# KiCad board Beacon_Multiboard.kicad_pcb (continued)
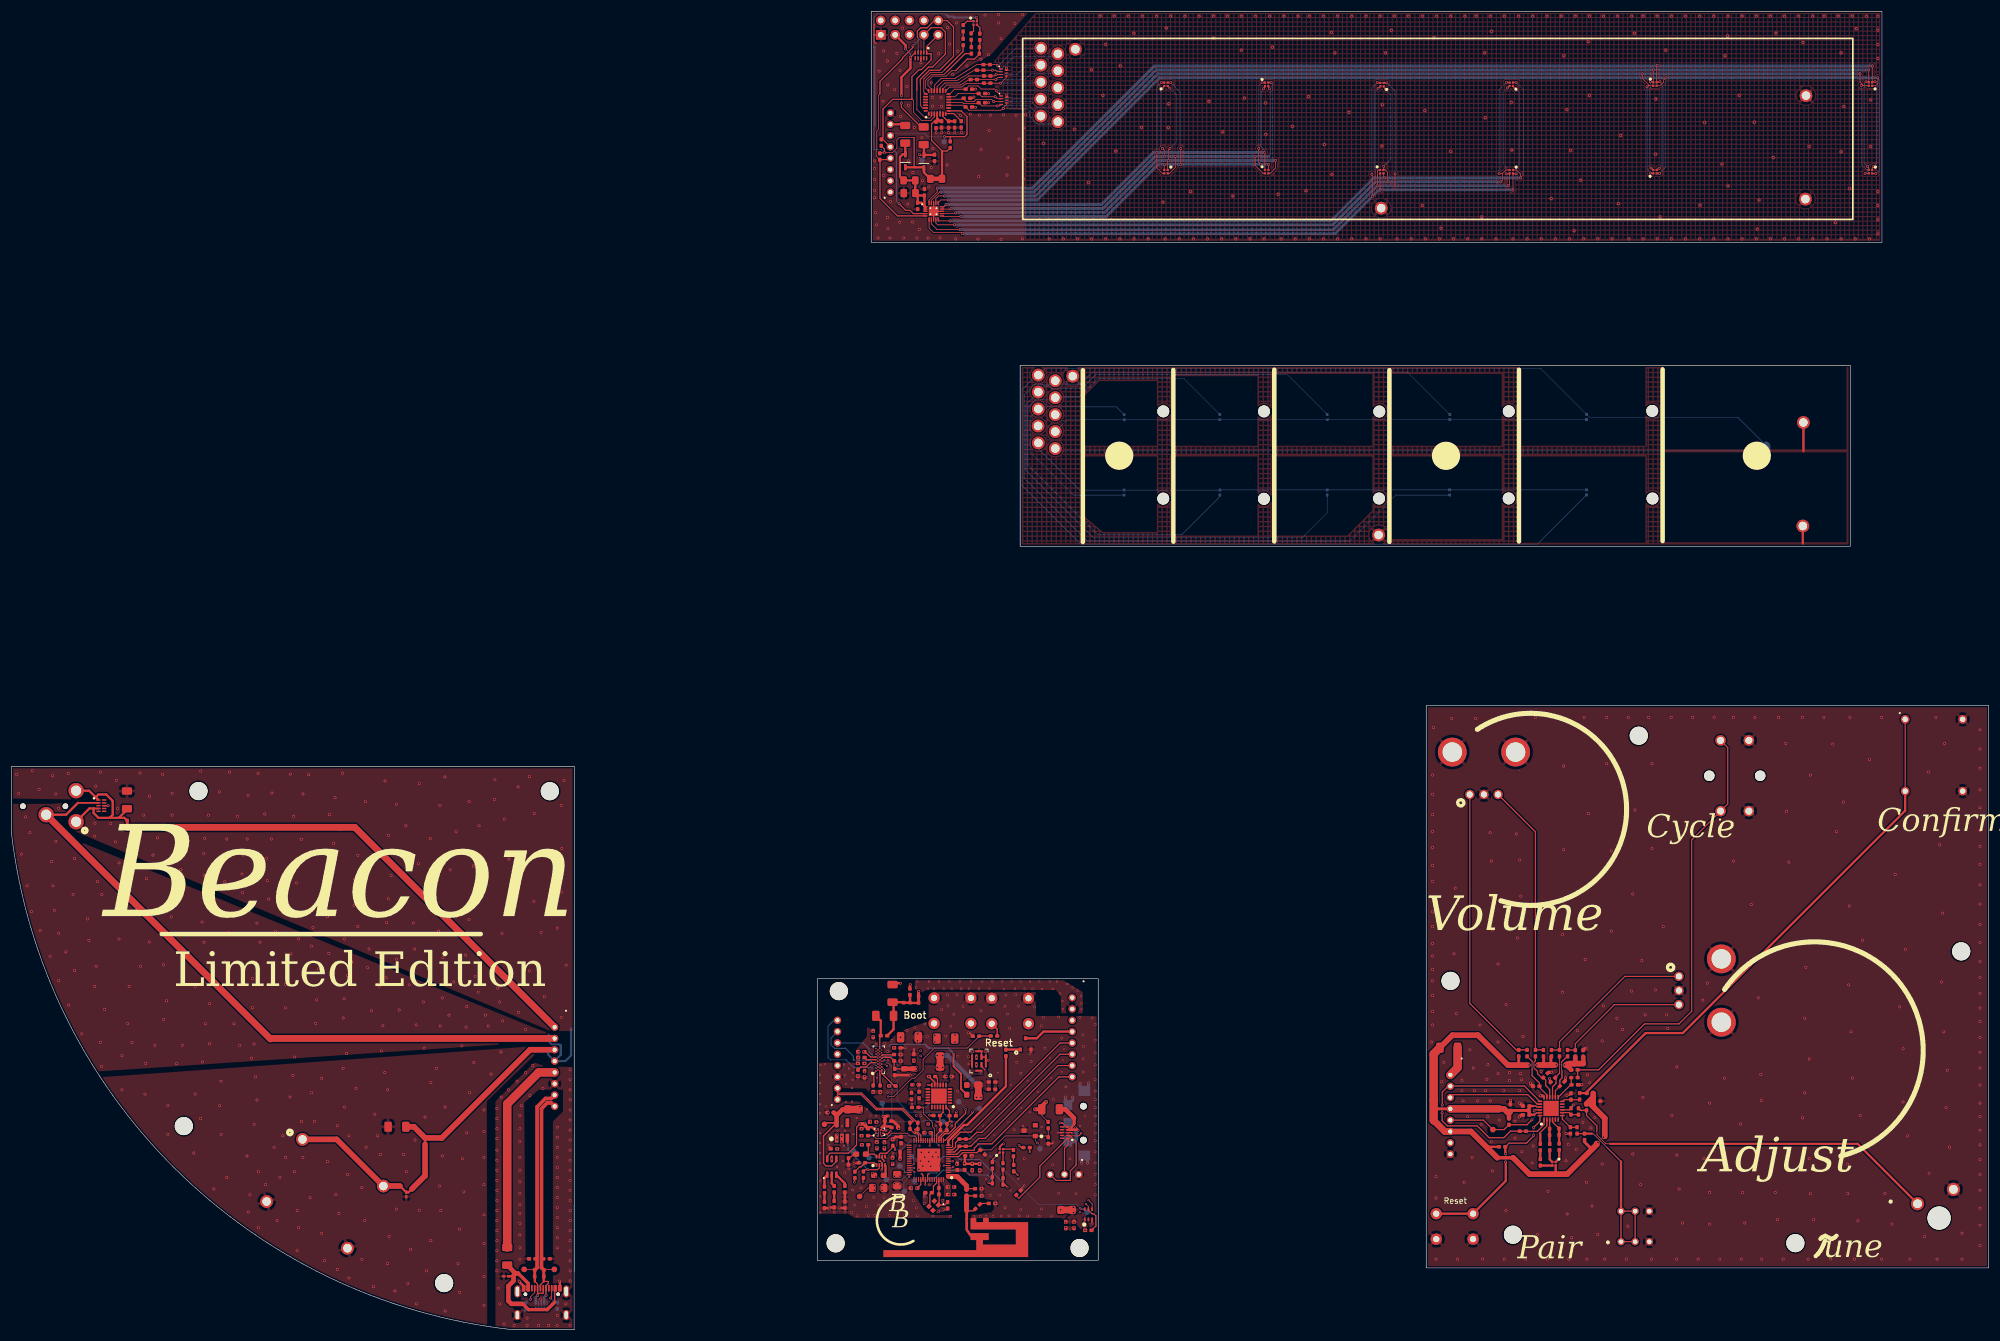
[diagram p0: board, top side]
## Routing (per net, layer and track width the routed paths; a pad name or vN(x,y) marks a point on that pad's centre or on a via; arc(x,y) is an arc through that point) (continued)
v4(167.94,60.3) v4(169.29,60.3) v4(169.69,61.55) v4(171.09,60.3) v4(171.64,61.55) v4(172.94,60.3) v4(173.44,61.55) v4(175.19,61.55) v4(175.44,60.25) v4(176.84,61.55) v4(177.44,60.3) v4(178.44,61.55) v4(179.14,60.3) v4(180.09,61.55) v4(180.54,60.3) v4(181.74,61.55) v4(182.24,60.25) v4(183.59,61.55) v4(184.09,60.25) v4(184.89,61.55) v4(185.44,59.45) v4(185.84,58.1) v4(185.89,56.65) v4(186.69,61.1) v4(187.64,60.5) v4(188.49,59.95) v4(189.09,58.95) v4(189.19,57.7) v4(189.19,56.65) v5(153.18,47.97) v5(171.76,36.06) v5(173.79,34.44) v5(174.43,45.41) v5(174.61,50.36) v5(174.56,38.96) v5(176.13,36.72) v5(176.69,43.28) v5(176.79,41.04) v5(178.57,39.16) v5(179.76,44.04) v5(181.54,42.06) v5(181.76,46) v5(183.68,48) v5(183.85,44.52) v5(185.76,45.61) v5(185.96,47.62) v5(186.06,49.68) v5(189.8,37.71)
/Audio_Board/AUDIO_GND_SEN: length 116.5
  Top w0.25: 45.9,51.49 45.81,51.4
  Top w0.3: 11.77,93.15 D504.2
  Top w0.4: 11.77,93.15 9.68,91.06 J509.2
  Top w1.2: J509.2 45.81,51.4 ; J105.2 45.9,51.49
/Audio_Board/AUDIO_HP: length 117.2
  Top w0.3: D504.4 14.65,92.15
  Top w0.4: C509.1 20.44,91.94 18.99,90.5 ; 15.24,93.8 15.24,93.82 14.91,94.16 ; J509.3 13.75,95.31 14.91,94.16 ; 17.39,90.5 18.99,90.5 ; 17.39,90.5 17.93,91.03 17.93,93.49 16.78,94.64 15.39,94.64 14.91,94.16 ; 17.39,90.5 15.4,90.5 14.54,91.35 14.54,92.04 14.65,92.15 13.8,92.15 J509.1 ; 18.99,90.5 19.99,90.5 J503.2 J503.1
  Top w1: 20.54,88.82 J503.1
  Top w1.2: J105.1 60.73,88.82 20.54,88.82
/Audio_Board/AUDIO_SP: length 67
  Top w0.4: 68.72,25.4 69.83,24.28 70.21,24.28 70.81,24.89 ; J505.1 J505.2
  Top w1: C514.1 71.17,35.89 J505.2 76.12,33.9 91.71,49.49 J105.3 ; 70.81,24.89 73.15,27.22 J505.1 ; J513.1 57.52,33.65 J513.1 68.72,25.4
/Audio_Board/USB_DN: length 43
  Top w0.13: J508.2 92.41,10.66 TP507.1 ; J510.B7 93.04,6.94 93.04,6.94 ; 94.05,7.32 J510.A7
  Top w0.2: 93.04,6.5 93.09,6.45 94,6.45 94.05,6.5 94.05,7.32 ; 93.04,6.5 v1(93.04,6.04) ; 93.04,6.5 93.04,6.94 ; J510.B7 93.04,8.05 92.55,8.53 ; 92.55,9.39 J508.1
  Top w0.4: 92.55,8.53 92.55,9.39
  Top w0.5: J508.1 J508.2
  Top w0.645: J508.2 92.95,10.97 92.95,39.4 94.44,40.88 95.44,40.88 J105.7
  Bottom w0.4: v1(93.04,6.04) 92.71,5.72 D505.1
/Audio_Board/USB_DP: length 42.4
  Top w0.13: TP508.1 94.27,10.66 J511.2 ; J510.B6 94.54,7.74
  Top w0.2: 94.13,9.38 J511.1 ; v1(94.54,6.07) J510.B6 94.54,7.79 94.94,8.19 94.94,8.48 94.89,8.53 94.13,8.53 93.54,7.94 J510.A6
  Top w0.4: 94.13,8.53 94.13,9.38
  Top w0.5: 94.13,9.38 94.13,10.52 J511.2
  Top w0.645: J511.2 93.73,10.97 93.73,39.08 94.76,40.11 95.44,40.11 J105.8
  Bottom w0.4: v1(94.54,6.07) 94.21,5.74 D505.4
/Fret_Assembly/BLED: length 12.8
  Top w0.13: 164.98,222.74 164.52,222.29 162.47,222.29 161.32,221.14 161.32,218.87 U402.22
  Top w0.2: R408.1 168.28,226.05 164.98,222.74
/Fret_Assembly/GLED: length 12.1
  Top w0.127: U402.21 161.65,219.53 161.65,220.92 162.69,221.95 164.9,221.95 165.36,222.41
  Top w0.2: R406.1 168.62,225.62 165.41,222.41
/Fret_Assembly/I2C1_SCLK: length 51.7
  Top w0.13: 159.32,217.54 159.49,217.36 159.49,215.23 160.89,213.83 162.58,213.83 163.18,214.43 U402.3
  Top w0.2: v1(156.95,199.07) 158.1,197.93 158.88,197.93 159.48,197.34 U401.4 ; J102.5 154.09,210.46 R401.1 154.11,210.76 154.11,215.83 155.81,217.54 159.32,217.54 159.21,217.64 159.21,221.52 160.48,222.79 160.89,222.79 162.62,224.52 162.62,225.54 162.56,225.6 162.02,225.6 D415.1 161.81,226.87 163.89,228.94
  Bottom w0.2: v1(156.95,199.07) 156.5,199.53 156.5,208.05 J102.5
/Fret_Assembly/I2C1_SDA: length 71.6
  Top w0.13: U402.2 162.68,214.53 162.39,214.23 161.6,214.23 160.1,215.73 160.1,219.14 ; 153.58,218.5 153.3,218.22 153.3,212.23 153.02,211.95 153.02,208.53 152.89,208.4 152.89,207.49 R402.1 ; 161.35,228.94 161.35,225.84 D415.2
  Top w0.2: U401.5 156.68,196.94 153.58,200.04 153.58,206.66 153.8,206.89 155.16,206.89 J102.4 ; v1(159.39,227.01) 159.39,226.73 157.56,224.9 157.56,224.72 153.58,220.74 153.58,218.5 ; 161.35,228.94 162.62,230.21 164.4,230.21 165.13,229.47 165.13,225.54 162.85,223.25 162.16,223.25 160.1,221.19 160.1,219.14
  Bottom w0.2: 161.35,228.94 159.42,227.01 v1(159.39,227.01)
/Fret_Assembly/LEDA1: length 152.2
  Top w0.13: D401.3 241.54,220.45 v1(241.49,220.5) ; v1(168.14,193.8) 167.95,193.99 163.05,193.99 162.25,194.79 U401.6 ; v1(266.04,204.35) 265.59,204.35 D404.4 v1(265.49,201.5) ; v1(240.54,204.3) 240.59,204.25 240.59,200.45 v1(240.64,200.4) ; D403.1 265.49,219.85 v1(265.84,219.5) ; D402.2 v1(241.99,201.5)
  Bottom w0.13: v1(265.84,219.5) 266.59,218.75 266.59,206.05 266.04,205.5 v1(266.04,204.35) ; v1(241.49,220.5) 240.54,219.55 v1(240.54,204.3)
  Bottom w0.5: v1(265.49,201.5) 265.44,201.55 241.79,201.55 v1(240.64,200.4) 234.04,193.8 v1(168.14,193.8)
/Fret_Assembly/LEDA2: length 148.2
  Top w0.13: v1(241.47,202.25) 241.54,202.31 241.54,203.97 241.52,203.99 241.52,204.92 241.66,205.05 D402.1 ; v1(264.49,219.55) 264.54,219.55 D403.4 ; v1(264.64,202.25) 264.89,202.5 D404.3 264.8,204.36 v1(264.28,204.36) ; v1(244.64,204.35) v1(244.64,202.25) ; v1(167.74,194.5) 163.69,194.5 162.65,195.54 U401.7 ; D401.2 v1(243.19,220.45)
  Bottom w0.13: v1(244.64,204.35) 244.64,219 v1(243.19,220.45) ; v1(264.49,219.55) 263.74,218.8 263.74,206.05 264.24,205.55 264.24,204.4 v1(264.28,204.36)
  Bottom w0.5: v1(264.64,202.25) 241.48,202.25 233.73,194.5 v1(167.74,194.5)
/Fret_Assembly/LEDA3: length 143.2
  Top w0.13: v1(264.34,220.55) 264.39,220.5 D403.3 ; v1(242.94,219.35) 242.64,219.65 D401.1 ; v1(243.39,202.95) 243.34,203 243.34,204.63 242.92,205.05 D402.4 242.64,205.1 v1(242.64,205.7) ; v1(166.79,195.35) 163.79,195.35 163.45,195.69 U401.9 ; 263.64,204.45 263.59,204.4 v1(263.04,204.4) ; 263.64,204.45 263.64,203.25 v1(263.34,202.95) ; 263.64,204.45 264.24,205.05 D404.2
  Bottom w0.13: v1(242.64,205.7) 243.84,206.9 243.84,218.45 v1(242.94,219.35) ; v1(263.04,204.4) 263.04,219.25 v1(264.34,220.55)
  Bottom w0.5: v1(166.79,195.35) 233.59,195.35 241.19,202.95 v1(263.34,202.95)
/Fret_Assembly/LEDA4: length 144.2
  Top w0.13: v1(266.79,203.65) 266.79,204.35 266.09,205.05 D404.1 ; D402.3 242.59,203.85 v1(242.79,203.65) ; D403.2 265.99,220.5 v1(266.04,220.55) ; v1(241.64,219.5) 241.69,219.5 D401.4 ; v1(165.99,196.05) 164.1,196.05 U401.10
  Bottom w0.13: v1(266.04,220.55) 267.34,219.25 267.34,204.2 v1(266.79,203.65) ; 241.14,203.65 241.14,205.35 241.09,205.4 241.09,218.95 v1(241.64,219.5)
  Bottom w0.5: v1(266.79,203.65) 240.89,203.65 233.29,196.05 v1(165.99,196.05)
/Fret_Assembly/LEDB1: length 94.8
  Top w0.13: D405.3 v1(204.99,220.5) ; D408.4 222.24,206 v1(222.29,206.05) ; D406.2 v1(203.84,206.05) ; U401.11 164.6,196.85 v1(167.89,196.85) ; v1(206.74,208.85) v1(206.74,206.05) ; D407.1 v1(221.14,220.5) ; v1(220.54,208.85) 220.49,208.8 220.49,206.49 v1(220.92,206.05)
  Bottom w0.13: v1(220.54,208.85) 220.54,219.9 v1(221.14,220.5) ; v1(206.74,208.85) 206.74,218.75 v1(204.99,220.5)
  Bottom w0.5: v1(222.29,206.05) 202.79,206.05 193.59,196.85 v1(167.89,196.85)
/Fret_Assembly/LEDB2: length 96.8
  Top w0.13: U401.12 166.82,197.34 v1(166.96,197.48) ; v1(204.84,208.85) 204.54,208.55 v1(204.54,206.75) 204.44,206.65 D406.1 ; D408.3 222.57,204.45 223.49,205.37 v1(223.49,206.75) ; v1(222.74,220.5) D407.4 ; v1(204.81,219.53) D405.2
  Bottom w0.13: v1(204.84,208.85) 206.04,210.05 206.04,218.3 v1(204.81,219.53) ; v1(222.74,220.5) 222.95,220.29 222.95,207.29 223.59,206.65
  Bottom w0.5: v1(166.96,197.48) 167.04,197.55 193.3,197.55 202.5,206.75 v1(223.49,206.75)
/Fret_Assembly/LEDB3: length 95.1
  Top w0.13: v1(203.49,219.5) 203.84,219.85 D405.1 ; v1(203.54,208.85) 203.84,208.55 v1(203.84,207.45) ; D408.2 221.31,204.45 219.89,205.87 v1(219.89,207.45) ; D407.3 222.24,219.6 v1(222.44,219.4) ; U401.14 166.07,198.14 v1(166.14,198.2) ; D406.4 204.77,204.45 205.79,205.47 v1(205.79,207.45)
  Bottom w0.13: v1(203.49,219.5) 203.14,219.15 203.14,209.25 v1(203.54,208.85) ; 222.29,207.45 222.59,207.75 222.59,219.25 v1(222.44,219.4)
  Bottom w0.5: 222.29,207.45 202.21,207.45 193.01,198.25 166.19,198.25 v1(166.14,198.2)
/Fret_Assembly/LEDB4: length 94.1
  Top w0.13: v1(165.24,198.9) 164.87,198.54 U401.15 ; v1(221.54,208.15) 221.64,208.05 D408.1 ; D407.2 221.64,219.65 v1(221.39,219.4) ; v1(202.54,208.15) 202.54,205.42 203.51,204.45 D406.3 ; v1(203.34,220.5) D405.4
  Bottom w0.13: v1(203.34,220.5) 202.54,219.7 v1(202.54,208.15) ; v1(221.54,208.15) 221.54,208.58 220.94,209.18 220.94,218.95 v1(221.39,219.4)
  Bottom w0.5: v1(165.24,198.9) 165.29,198.95 192.72,198.95 201.92,208.15 v1(221.54,208.15)
/Fret_Assembly/LEDC1: length 215.8
  Top w0.13: v1(292.49,221.35) 292.11,220.98 292.11,220.58 291.49,219.95 D409.3 ; v1(329.64,204.4) 329.59,204.45 D412.4 ; v1(291.39,204.45) D410.2 ; v1(329.99,221.35) 330,221.34 330,220.32 329.64,219.95 D411.1 ; U401.16 163.85,199.26 164.34,199.75 v1(165.64,199.75)
  Bottom w0.13: v1(292.49,221.35) 292.49,205.55 v1(291.39,204.45) ; v1(329.64,204.4) 330.24,205 330.24,221.05 329.99,221.3 v1(329.99,221.35)
  Bottom w0.5: v1(329.99,221.35) 202.99,221.35 181.39,199.75 v1(165.64,199.75)
/Fret_Assembly/LEDC2: length 214
  Top w0.13: v1(327.09,220) 327.09,220.15 327.19,220.25 ; U401.17 163.45,200 163.9,200.45 v1(164.99,200.45) ; 327.19,220.25 327.49,219.95 D411.4 ; 327.19,220.25 326.84,220.6 v1(326.84,222.05) ; 289.64,219.95 288.34,221.25 v1(288.34,222.05) ; 289.64,219.95 289.39,219.95 v1(289.19,219.75) ; 289.64,219.95 D409.2 ; D412.3 v1(327.74,204.45) ; v1(289.79,204.5) 289.84,204.45 D410.1
  Bottom w0.13: v1(289.19,219.75) 289.19,205.1 v1(289.79,204.5) ; v1(327.09,220) 327.09,206.02 327.97,205.14 328.42,205.14 v1(327.74,204.45)
  Bottom w0.5: v1(326.84,222.05) 202.7,222.05 181.1,200.45 v1(164.99,200.45)
/Fret_Assembly/LEDC3: length 213.2
  Top w0.13: v1(289.89,205.4) 289.94,205.4 D410.4 ; v1(164.34,201.15) 164.14,201.15 162.65,199.67 U401.19 ; v1(328.19,205.65) 328.39,205.45 D412.2 ; v1(327.89,220.65) 328.29,220.65 D411.3 v1(328.39,222.75) ; v1(290.29,222.75) D409.1 290.19,220.65 v1(289.79,220.65)
  Bottom w0.13: v1(289.89,205.4) 289.69,205.6 289.69,219.52 289.79,219.62 v1(289.79,220.65) ; v1(328.19,205.65) 327.59,206.25 327.59,219.77 327.6,219.79 327.6,220.21 327.59,220.23 327.59,220.35 v1(327.89,220.65)
  Bottom w0.5: v1(164.34,201.15) 180.81,201.15 202.41,222.75 v1(328.39,222.75)
/Fret_Assembly/LEDC4: length 217.2
  Top w0.13: U401.20 162.25,199.73 163.69,201.17 v1(163.69,201.85) ; v1(329.04,223.45) 328.99,223.4 D411.2 329.09,220.65 v1(329.49,220.65) ; v1(290.99,223.5) 290.89,223.4 D409.4 290.99,220.65 v1(291.46,220.65) ; v1(291.34,205.35) 291.19,205.35 D410.3 ; v1(329.24,205.65) 328.99,205.4 D412.1
  Bottom w0.13: v1(329.24,205.65) 329.84,206.25 329.84,220.65 329.49,220.65 v1(329.49,220.65) ; v1(291.46,220.65) 291.75,220.36 291.75,220.21 291.84,220.12 291.84,205.85 v1(291.34,205.35)
  Bottom w0.5: v1(163.69,201.85) 180.52,201.85 202.12,223.45 v1(329.04,223.45)
/Fret_Assembly/RLED: length 15.6
  Top w0.13: U402.20 162.68,219.38 162.06,220 162.06,220.84 162.87,221.65 165.29,221.65 166.25,222.61 166.94,222.61
  Top w0.2: R403.1 171.23,226.83 J409.2 J409.1 171.15,225.54 170.27,224.66 168.99,224.66 166.94,222.61
/Fret_Assembly/RX0: length 22.7
  Top w0.13: D418.5 176,216.67 174.95,215.62 169.29,215.62 C406.2 168.4,216.5 U402.10
  Bottom w0.13: H411.1 184.6,213.17 181.34,213.17 180.04,214.47 180.04,215.32 179.45,215.91 v1(175.39,215.91)
/Fret_Assembly/RX1: length 18.2
  Top w0.13: U402.11 168.15,217 168.32,216.83 170.91,216.83 C410.2 171.6,216.38 v1(174.3,216.38) 174.73,216.38 D418.4
  Bottom w0.13: H413.1 181.75,214.59 179.91,216.43 174.35,216.43 v1(174.3,216.38)
/Fret_Assembly/RX2: length 22
  Top w0.13: D418.3 v1(173.69,217.15) 173.3,217.54 170.57,217.54 170.19,217.15 168.79,217.15 168.39,217.55 C411.2 168.15,217.74 167.98,217.56 165.78,217.56 U402.12
  Bottom w0.13: H415.1 184.56,216.13 181.35,216.13 180.33,217.15 v1(173.69,217.15)
/Fret_Assembly/RX3: length 18.1
  Top w0.13: D418.2 174.35,217.65 174,218 v1(173.95,218) 171.6,218 C412.2 167.4,218.58 166.82,218 U402.13
  Bottom w0.13: H417.1 181.82,217.76 174.19,217.76 v1(173.95,218)
/Fret_Assembly/RX4: length 21.7
  Top w0.13: U402.14 165.93,218.51 166.77,219.34 C413.2 169.29,219.91 170.92,219.91 171.47,219.37 173.78,219.37 D418.1
  Bottom w0.13: v1(174.15,219.06) 184.49,219.06 H423.1
/Fret_Assembly/Touch_Board/RX0: length 1032.9
  Bottom w0.13: C1610.1 244.77,147.58 236.63,139.44 190.21,139.44 179.06,150.59 179.06,165.28 180.96,167.18 183.95,167.18 H407.1 185.15,167.2 189.03,167.2 191.13,169.3 246.83,169.3 C1604.1 ; H412.1 184.56,155.66 184.84,155.38 C1618.2 ; C1603.2 278.48,160.92 C1604.2 254.3,160.91 C1605.2 C1606.2 213.63,160.89 C1607.2 186.66,160.89 H416.1 ; C1605.1 225.57,168.9 191.76,168.9 189.26,166.4 183.99,166.4 183.54,166.85 182.62,166.85 H408.1 179.39,163.61 179.39,151.88 191.23,140.04 228.23,140.04 232.66,144.46 C1611.1 ; C1612.1 213.65,147.29 206.95,140.6 192.04,140.6 179.72,152.92 179.72,163.09 181.03,164.4 184.17,164.4 H409.1 184.67,164.9 188.81,164.9 192.06,168.15 207.3,168.15 C1606.1 ; C1613.1 187.76,147.56 180.14,155.18 180.14,161.37 H410.1 181.95,163.18 195.36,163.18 C1607.1 ; H414.1 181.56,155.73 188.83,148.46 C1613.2 213.64,148.46 C1612.2 C1611.2 254.29,148.47 C1610.2 278.49,148.48 C1609.2 ; C1609.1 269.79,138.88 189.08,138.88 178.72,149.24 178.72,166.26 181.26,168.79 H406.1 182.75,169.98 270.34,169.98 C1603.1 279.02,161.3 305.22,161.3 C1618.1
  Bottom w1.5: C1618.2 C1618.1
/Fret_Assembly/TOUCH_INT: length 23
  Top w0.2: R409.2 166,210.93 ; 166,210.93 168.56,210.93 168.97,211.34 168.97,214.46 167.93,215.5 U402.8 ; 166,210.93 v1(164.95,210.93)
  Bottom w0.13: J102.6 155.81,211.54 161.4,211.54 162.01,210.93 v1(164.95,210.93) 164.95,210.1 TP401.1 164.9,209.84
/Fret_Assembly/TOUCH_PROGM: length 30
  Top w0.13: 160.71,220.25 160.71,216.43 161.14,216 U402.27 ; D415.4 160.31,228.43 160.18,228.56
  Top w0.2: 160.71,220.25 160.71,221.07 162.34,222.69 164.12,222.69 166.58,225.16 166.58,230.34 165.44,231.48 163.2,231.48 161.91,230.19 160.76,230.19 160.18,229.61 160.18,228.56
/Fret_Assembly/TX0: length 23.2
  Top w0.13: U402.19 163.18,220.03 164.37,221.22 166.8,221.22 166.83,221.25 170.72,223.71 171.85,223.71 J402.1 J402.2 174.2,223.68 D416.1
  Bottom w0.13: v1(174.43,223.45) 177.56,226.59 H401.1
/Fret_Assembly/TX1: length 25.9
  Top w0.13: 167.24,220.89 170.33,222.75 170.68,222.75 J403.1 J403.2 v1(173.44,222.69) 174.02,222.69 174.29,222.43 D416.2 ; U402.18 163.68,219.77 164.8,220.89 167.24,220.89
  Bottom w0.13: v1(173.44,222.69) 174.87,222.69 177.27,225.09 184.52,225.09 H402.1
/Fret_Assembly/TX2: length 20.7
  Top w0.13: U402.17 164.18,219.56 165.06,220.43 167.5,220.43 169.27,221.68 J405.1 J405.2 173.84,221.68 174.09,221.93 v1(174.1,221.93) D416.3
  Bottom w0.13: H403.1 179.5,223.59 177.83,221.93 v1(174.1,221.93)
/Fret_Assembly/TX3: length 23
  Top w0.13: U402.16 164.68,219.38 165.38,220.08 167.83,220.08 169.12,220.93 169.48,220.93 J406.1 J406.2 v1(174.05,221.04) 174.43,221.43 D416.4
  Bottom w0.13: H404.1 184.5,222.07 180.27,222.07 179.24,221.04 v1(174.05,221.04)
/Fret_Assembly/TX4: length 19.2
  Top w0.13: U402.15 165.89,219.72 168.05,219.72 168.37,220.04 168.81,220.33 171.88,220.33 J407.1 J407.2 v1(174.89,220.41) 174.91,220.41 175.95,221.45 D416.5
  Bottom w0.13: H405.1 181.85,220.42 174.9,220.42 v1(174.89,220.41)
/Main_Board/AMB_INT: length 33.4
  Top w0.13: U1101.5 190.43,21.79 v3(189.97,22.25) ; v3(166.45,29.76) 166.41,29.81 U701.7
  Top w0.2: R1101.1 191.75,18.34 191.75,20.12 191.4,20.47 191.08,20.47 190.43,21.12 U1101.5
  In2.Cu w0.13: v3(189.97,22.25) 177.83,22.25 171.36,28.72 168.36,28.72 167.32,29.76 v3(166.45,29.76)
/Main_Board/AUDIO_GND_SEN: length 13.1
  Bottom w0.09: v5(153.19,46.47) 153.08,46.58 152.92,46.58 152.66,46.83
  Bottom w0.2: J106.7 144.92,51.56 144.92,50.39 145.55,49.75 147.48,49.75 148.85,48.38 148.85,47.72 148.93,47.65 151.85,47.65 152.66,46.83
/Main_Board/AUDIO_HP: length 16.8
  Bottom w0.09: v5(152.81,46.22) 152.39,46.22 152.28,46.33
  Bottom w0.2: J106.8 145.42,54.71 144.41,53.69 144.41,48.1 144.79,47.72 147.58,47.72 148.98,46.33 152.28,46.33
/Main_Board/AUDIO_PU: length 43.1
  Top w0.25: J605.2 158.95,57.77 ; 157.69,57.9 J605.1
  Top w0.4: C610.1 155.97,57.73 C607.2 155.97,53.1 C608.2 ; C610.1 157.69,57.9 ; C610.1 155.87,57.83 ; 158.89,59.16 J605.2 J605.1 ; 158.95,57.77 160.4,57.77
  Top w0.5: v2(160.43,59.8) 160.4,59.77 J604.2 J604.1
  In2.Cu w0.3: 185.31,60.95 161.61,60.95
  In2.Cu w0.4: 161.61,60.95 160.46,59.8 v2(160.43,59.8) ; J101.1 185.31,60.95
/Main_Board/AUDIO_SP: length 8.5
  Bottom w0.09: 152.28,48.46 152.38,48.36 153.08,48.36 v5(153.19,48.47)
  Bottom w0.2: 152.28,48.46 151.65,49.09 151.65,49.63 150.57,50.71 J106.6
/Main_Board/BAT_MEASURE: length 23.6
  Top w0.09: v2(181.41,33.02) 181.04,33.39 D503.1
  Top w0.13: R509.1 183.32,34.04 R510.2 183.11,34.25 D503.1 175.69,34.25 173.23,31.79 C508.2
  Top w0.2: 171.26,31.82 170.73,31.29 168.16,31.29 167.48,30.61 U701.9
  Bottom w0.09: v2(181.41,33.02) 181.86,32.57 TP505.1 181.72,31.86
/Main_Board/BAT_NINT: length 10.7
  Top w0.13: U701.27 159.99,33.97 159.73,34.23 158.91,34.23 158.4,34.74 155.66,34.74 154.71,33.8 152.9,33.8 152.4,34.3
  Top w0.2: R507.1 152.4,34.3 PS502.A1
/Main_Board/I2C0_SCLK: length 67.3
  Top w0.09: U601.D8 154.16,47.47 v3(154.36,47.67) ; PS502.B1 153.29,34.38 v3(153.17,34.26)
  Top w0.13: v3(190.43,22.91) 191.08,22.26 U1101.4
  Top w0.2: 164.27,36.42 164.24,36.42 164.17,36.49 164.17,36.77 ; 164.17,36.77 v3(163.58,36.77) ; 164.17,36.77 R701.1 164.74,38.44 U1001.23 ; U701.18 163.59,34.51 164.27,35.19
  Top w0.25: J703.2 J703.1
  In2.Cu w0.13: v3(190.43,22.91) 190.41,22.93 179.38,22.93 167.29,35.02 165.34,35.02 v3(163.58,36.77)
  Bottom w0.09: v3(154.36,47.67) 154.36,47.5 154.75,47.11 154.82,47.11
  Bottom w0.11: 154.82,47.11 155.02,47.11
  Bottom w0.13: 155.68,36.77 155.68,46.45 155.02,47.11 ; 155.68,36.77 155.2,36.77 153.17,34.74 v3(153.17,34.26) ; 155.68,36.77 161.15,36.77 161.35,36.97 163.39,36.97 v3(163.58,36.77) TP708.1
/Main_Board/I2C0_SDA: length 74.7
  Top w0.09: PS502.C1 153.69,34.45 v3(153.88,34.26)
  Top w0.13: v3(188.98,21.46) 189.15,21.29 U1101.6
  Top w0.2: v3(166.33,36.77) 166.26,36.84 165.86,36.84 ; 165.41,35.19 165.15,35.19 163.99,34.04 U701.17 ; 165.86,36.84 165.45,36.42 165.41,36.42 ; 165.86,36.84 R702.1 165.86,38.74 U1001.24
  Top w0.25: J704.2 J704.1
  Bottom w0.13: v3(166.33,36.77) 164.63,38.48 158.66,38.48 156.6,40.53 156.6,47.29 155.56,48.33 154.21,48.33 153.6,47.72 ; v3(166.33,36.77) 166.96,36.77 181.62,22.12 188.32,22.12 v3(188.98,21.46) 189.52,21.46 TP709.1 ; v3(166.33,36.77) 163.81,34.26 v3(153.88,34.26)
  vias: v5(153.56,47.72)
/Main_Board/I2C1_BCLK: length 19.4
  Top w0.2: U701.15 165.08,33.46 169.96,38.34 v2(169.96,38.53)
  In2.Cu w0.2: v2(170.62,48.19) 171.36,47.45 171.36,46.33 169.96,44.93 v2(169.96,38.53)
  Bottom w0.13: TP702.1 170.54,39.11 v2(169.96,38.53)
/Main_Board/I2C1_MISO: length 18.3
  Top w0.2: v2(168.71,38.93) 168.71,38.27 166.89,36.44 166.89,35.82 165.72,34.66 165.1,34.66 165.09,34.67 164.39,33.98 U701.16
  In2.Cu w0.2: v2(170.62,46.84) 170.6,46.84 168.71,44.95 v2(168.71,38.93)
  Bottom w0.13: TP704.1 168.71,39.11 v2(168.71,38.93)
/Main_Board/I2C1_SCLK: length 29.3
  Top w0.2: J101.6 185.39,48.7 171.59,34.9 170.67,34.9 169.49,33.72 168.81,33.72 ; 167.58,33.7 166.94,33.06 166.94,32.3 166.45,31.82 166.28,31.82 166.27,31.81 U701.12
  Top w0.25: J705.2 J705.1
/Main_Board/I2C1_SDA: length 28.3
  Top w0.2: U701.11 166.75,31.41 167.59,32.24 167.59,32.43 ; 168.82,32.45 169.64,32.45 171.03,33.83 172.17,33.83 185.04,46.7 J101.7
  Top w0.25: J706.1 J706.2
/Main_Board/I2S0_BCLK: length 25.4
  Top w0.09: U701.42 158.74,27 v3(158.73,27) ; v3(154.41,45.74) 154.41,45.95 153.9,46.47 U601.D4
  In2.Cu w0.09: v3(158.73,27) 158.12,27 157.31,27.81 157.31,29.18 157.62,29.49 157.62,35.71 155.89,37.44 155.89,44.27 v3(154.41,45.74)
  Bottom w0.13: TP705.1 157.79,24.53 157.79,26.06 v3(158.73,27)
/Main_Board/I2S0_MCLK: length 24.9
  Top w0.09: U701.38 159.26,29.01 v3(159.6,29.34)
  In2.Cu w0.09: U601.C11 155.26,48.22 158.22,45.26 158.22,38.86 159.67,37.41 159.67,29.42 v3(159.6,29.34)
  Bottom w0.13: v3(159.6,29.34) 159.6,30.15 TP701.1
  vias: v5(153.57,48.22)
/Main_Board/I2S0_MISO: length 28.6
  Top w0.09: v3(159.62,28.61) 159.62,28.61 U701.39
  In2.Cu w0.09: v3(159.62,28.61) 159.14,29.09 159.14,37.04 157.64,38.54 157.64,44.61 155.03,47.22 U601.C7
  Bottom w0.09: TP706.1 157.51,26.56 159.56,28.61 v3(159.62,28.61)
  vias: v5(153.57,47.22)
/Main_Board/I2S0_MOSI: length 23.5
  Top w0.09: U701.41 157.94,27.81 v3(157.92,27.83)
  In2.Cu w0.09: U601.C5 154.07,46.72 156.42,44.37 156.42,37.79 158.15,36.06 158.15,29.1 157.92,28.88 v3(157.92,27.83)
  Bottom w0.13: TP707.1 157.92,28.11 v3(157.92,27.83)
  vias: v5(153.57,46.72)
/Main_Board/I2S0_WCLK: length 24.5
  Top w0.09: v3(154.8,46.64) 154.47,46.97 U601.D6 ; v3(159.65,27.87) 159.31,28.21 U701.40
  In2.Cu w0.09: v3(159.65,27.87) 158.63,28.89 158.63,36.53 157.06,38.11 157.06,44.38 v3(154.8,46.64)
  Bottom w0.13: TP703.1 159.67,27.85 v3(159.65,27.87)
/Main_Board/IMU_INT: length 15.7
  Top w0.13: U701.19 163.19,35.57 162.85,35.91 162.85,36.62 161.3,38.17 161.3,39.12 v3(161.12,39.3)
  Top w0.2: v3(162.09,43.29) 162.11,43.26 U1001.12 ; v3(161.12,39.3) R1001.2
  In2.Cu w0.2: v3(162.09,43.29) 162.09,41.16 161.12,40.19 v3(161.12,39.3)
  Bottom w0.09: v3(161.12,39.3) 161.74,39.3 TP1001.1
/Main_Board/MCU/uC_XTAL_N: length 5.1
  Top w0.2: U701.53 163.59,25.94 163.03,25.37 163.03,24.52 C711.2 162.39,23.88 162.39,21.93
/Main_Board/MCU/uC_XTAL_P: length 6.5
  Top w0.2: 163.89,22.03 163.99,22.13 ; C710.2 165.03,22.05 163.91,22.05 164.04,22.18 164.04,23.88 J702.2 J702.1 ; U701.54 163.99,25.09
/Main_Board/Regulators/BAT_P: length 60.6
  Top w0.13: R509.2 182.17,37.9 F501.2 182.17,39.51 ; 154.72,37.79 154.61,37.68 154.58,37.7 ; 181,38.97 v2(180.96,39.01)
  Top w0.2: PS502.C2 153.69,35.29 153.88,35.48 153.88,35.77
  Top w0.4: 154.42,36.84 154.42,36.31 153.88,35.77 154.05,35.94 155.34,35.94 155.62,35.65
  Top w0.5: 154.58,37.7 v2(154.1,37.7) ; 154.72,37.79 v3(155.05,37.79)
  Top w0.6: 154.61,37.68 154.42,37.49 C506.2
  Top w0.7: 182.17,39.51 v2(182.94,40.28) ; F501.2 181,38.97
  In2.Cu w0.6: v2(182.94,40.28) 182.23,40.28 181.8,39.85 ; v2(180.96,39.01) 181.8,39.85 ; 181.8,39.85 174.02,47.62 174.02,49.32 173.11,50.24 168.69,50.24 168.03,49.58 161.53,49.58 160.84,48.89 160.76,48.97 v2(160.76,49.32) 160.79,49.3 v2(160.79,48.41)
  In3.Cu w0.09: 154.19,37.79 v2(154.1,37.7)
  In3.Cu w0.13: 160.76,48.43 v2(160.79,48.41)
  In3.Cu w0.6: 160.82,48.84 159.37,48.84 158.28,47.75 158.28,46.81 157.49,46.02 157.49,40.23 v3(155.05,37.79) ; v2(160.76,49.32) 160.76,48.43
  In3.Cu w1: v3(155.05,37.79) 154.19,37.79
  Bottom w0.25: TP503.1 154.1,39.86 v2(154.1,37.7)
/Main_Board/Regulators/BAT_TS: length 36
  Top w0.13: D507.5 186.77,36.49 v2(186.8,36.51)
  Top w0.2: v3(155.43,35.1) 154.9,34.57 154.32,34.57 PS502.D1 ; v2(185.4,36.57) 185.86,36.57 186.58,35.85 D507.5
  In2.Cu w0.2: v2(160,37.87) 160.61,37.26 162.7,37.26 163.13,37.69 184.29,37.69 v2(185.4,36.57)
  In3.Cu w0.2: v3(155.43,35.1) 158.2,37.87 v2(160,37.87)
